# Altium PCB PCB.PcbDoc
Units mm, origin at the board's own origin, x right, y up, seen from the top; angles counter-clockwise.
Board outline 127 x 60 mm, 4 copper layers (Top Layer, Layer 1, Layer 2, Bottom Layer), stack 0.993 mm thick; 55 components, 34 nets, 212 pads, 305 vias.
Unrouted connection lines stored in the file: 11.
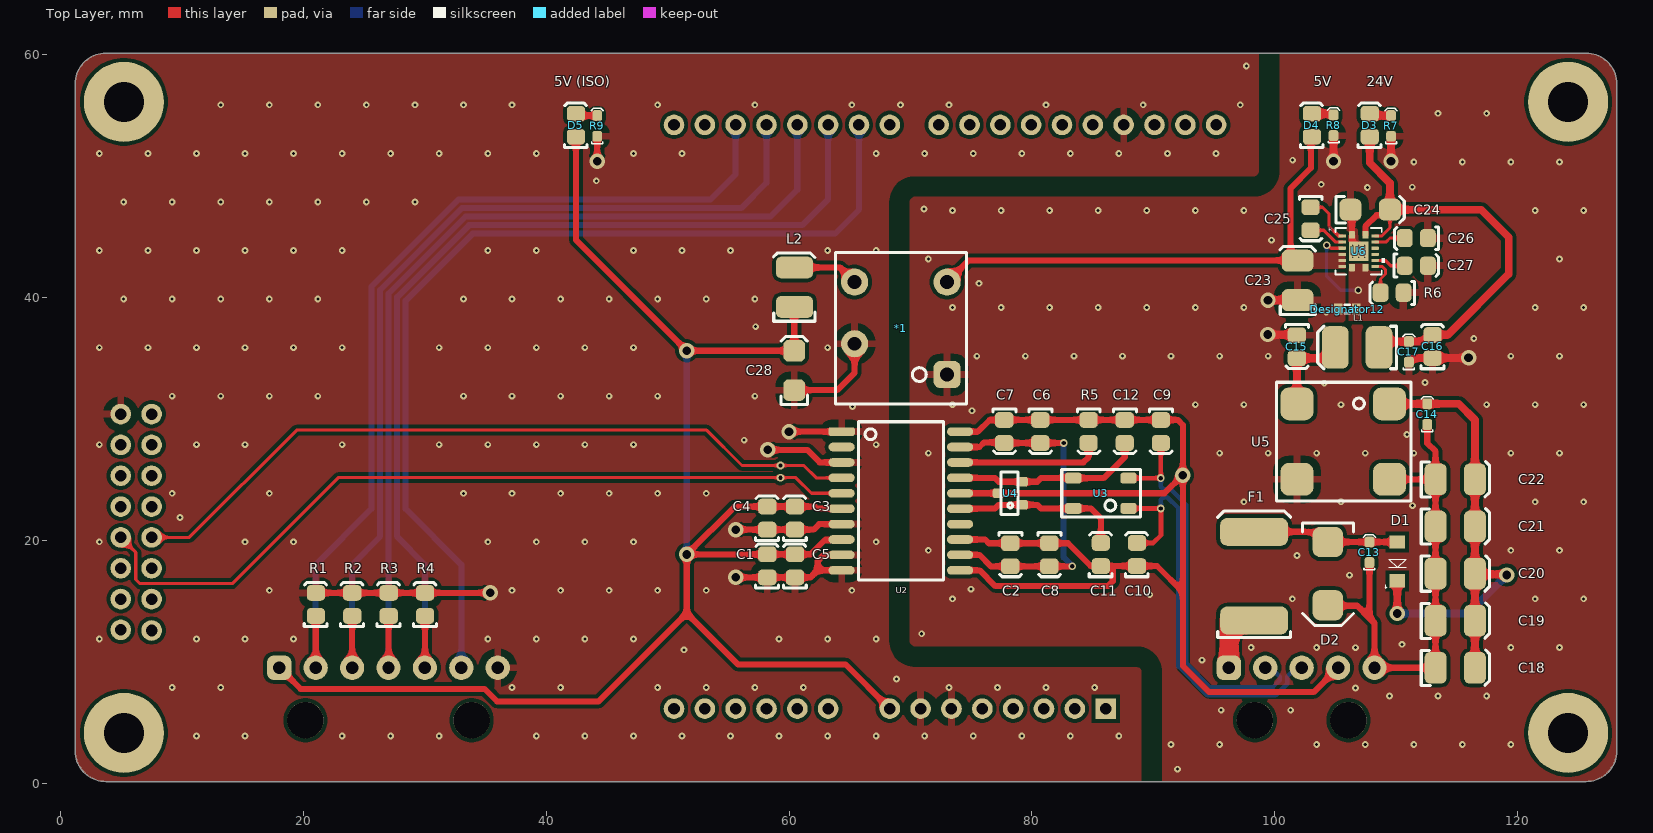
[diagram p0: Top Layer view]
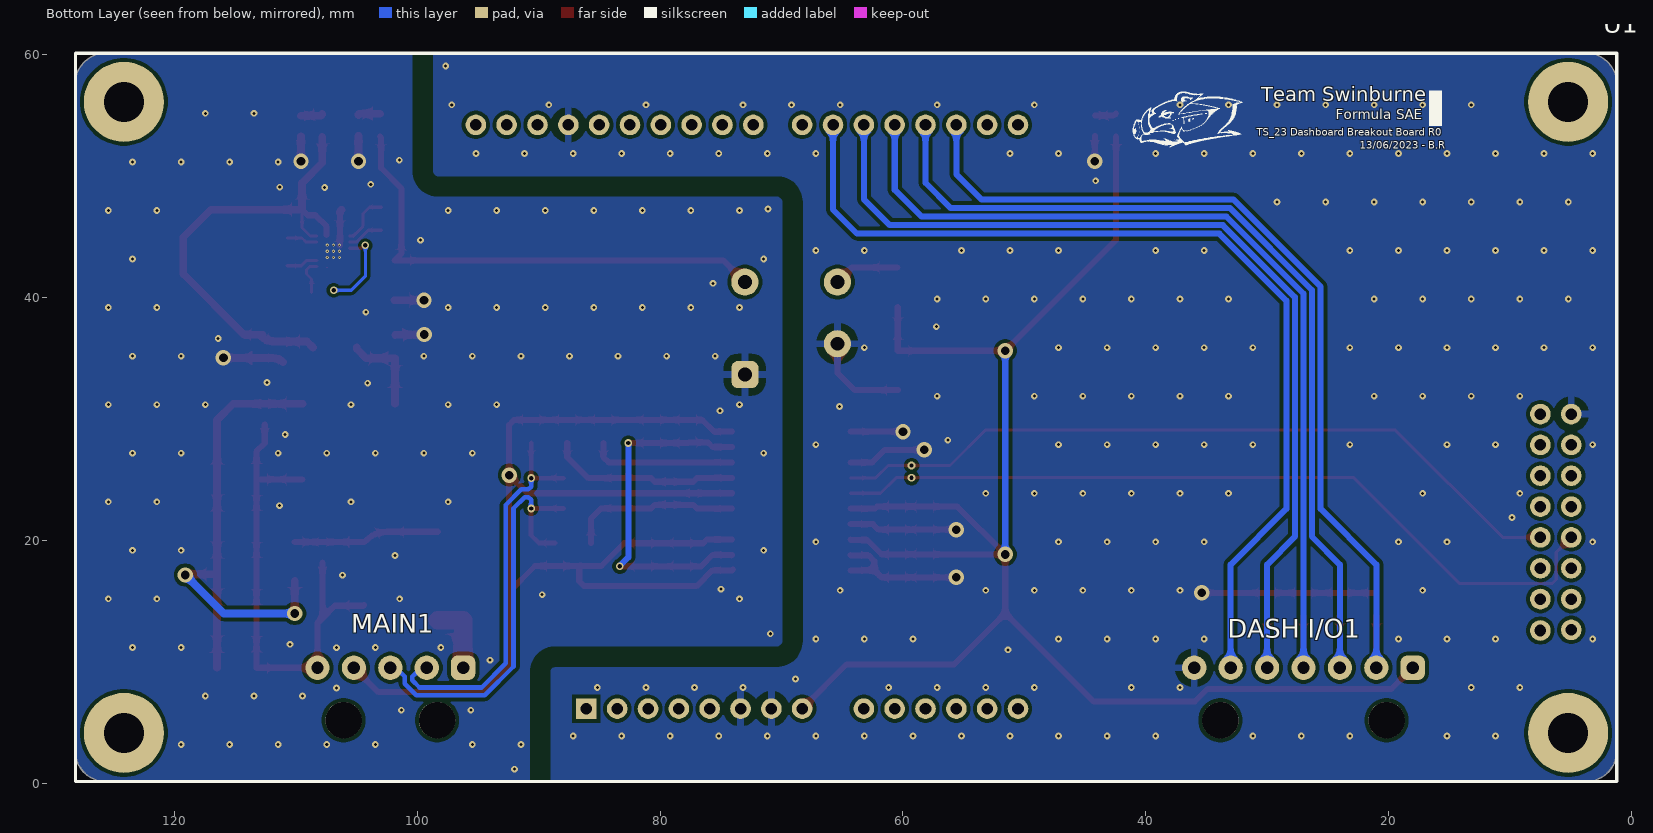
[diagram p1: Bottom Layer view, seen from below]
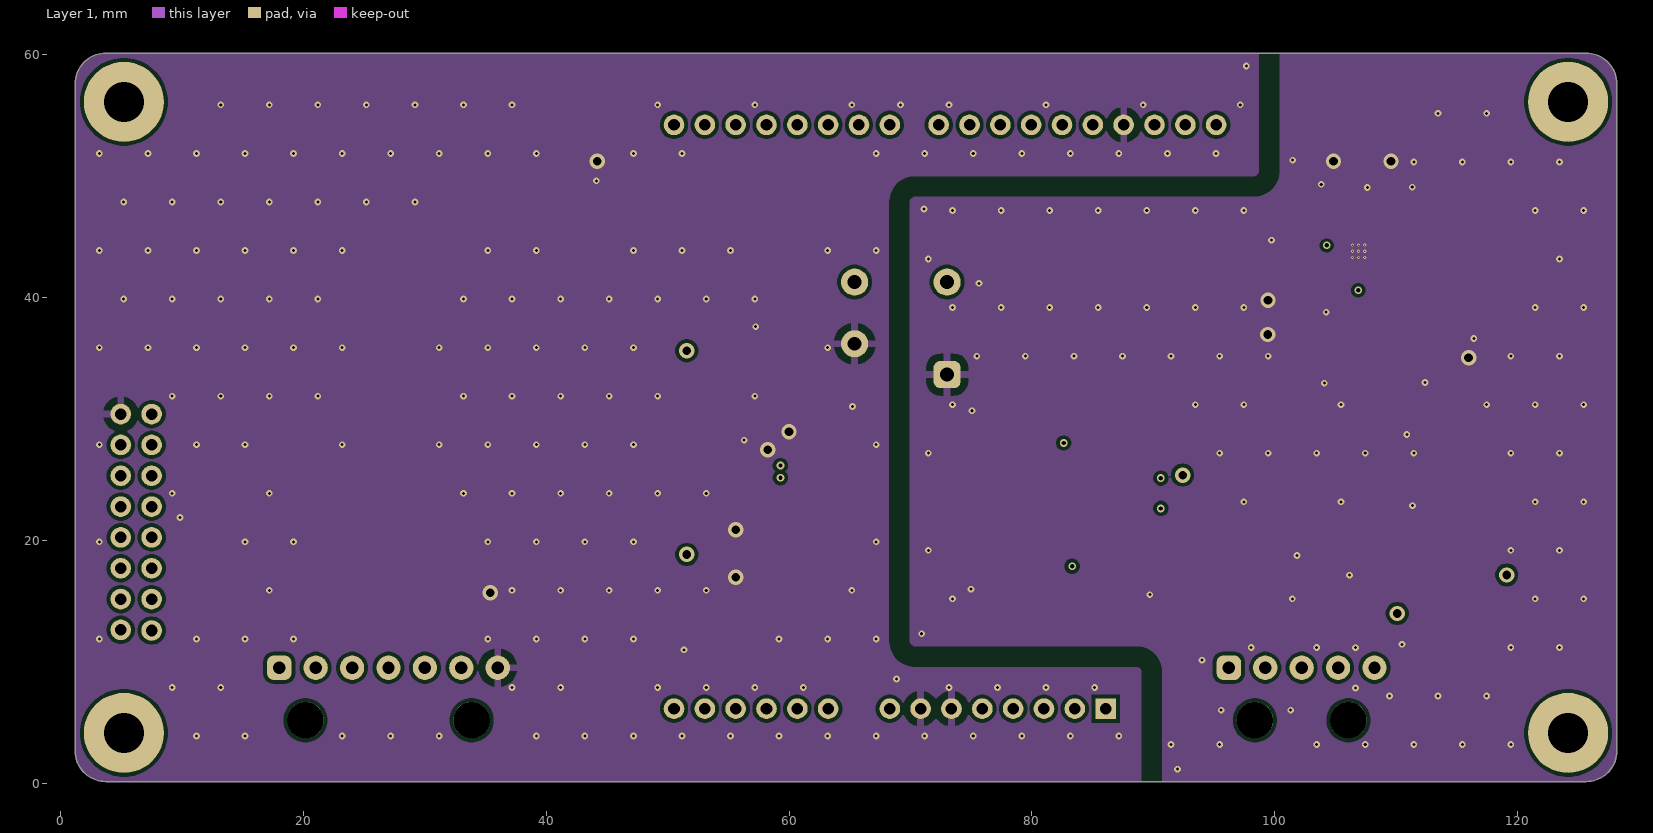
[diagram p2: Layer 1]
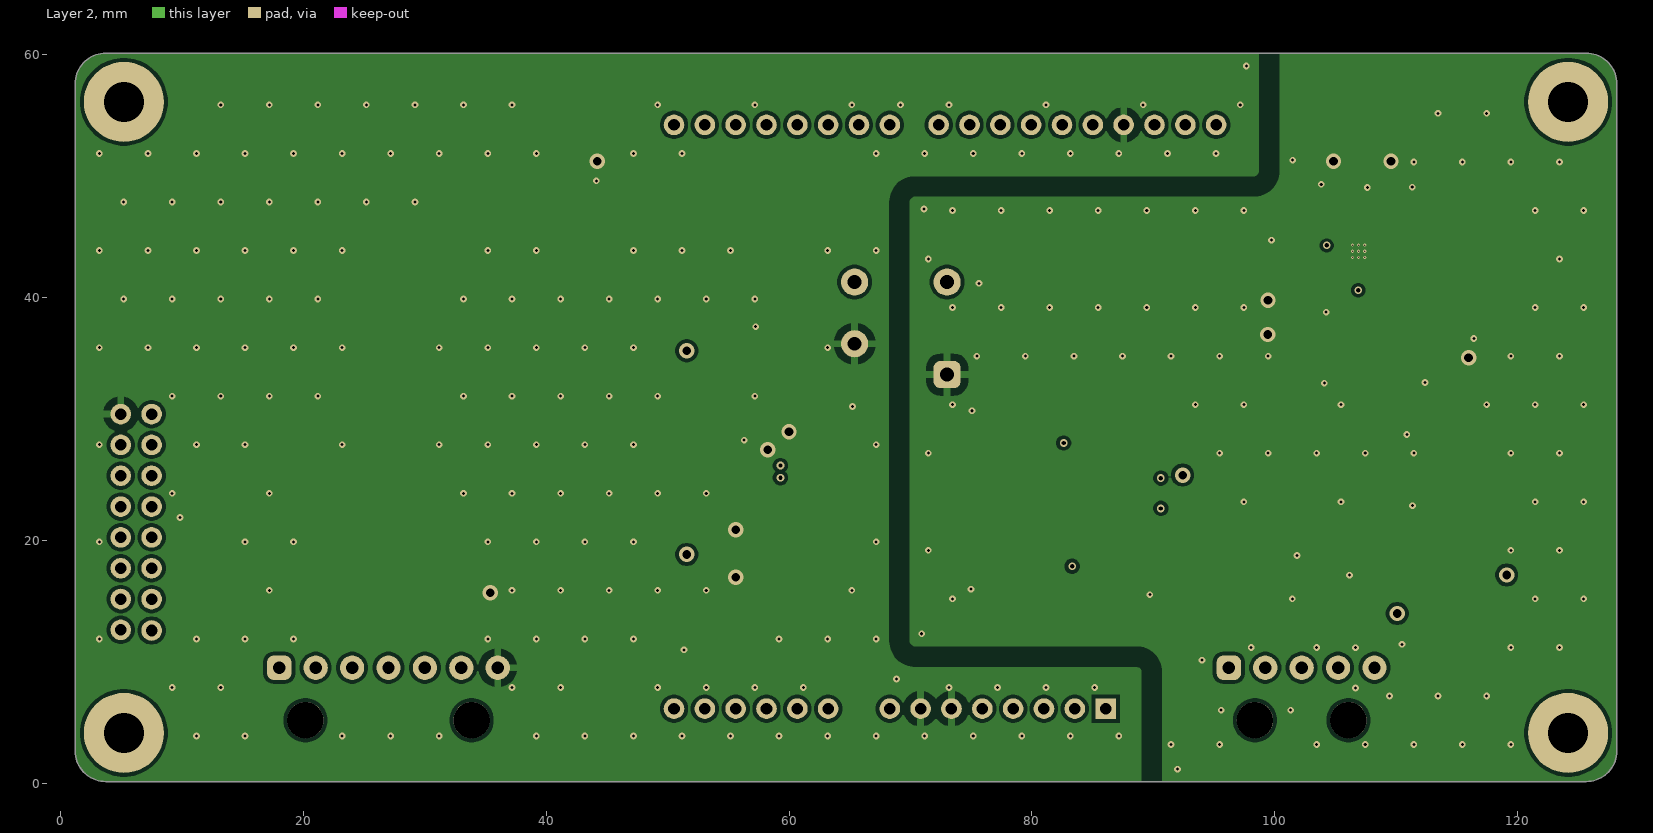
[diagram p3: Layer 2]

## Layer stack, top to bottom
Top Solder: solder mask 0.0254, SM-001, Dk 4
Top Layer: signal copper 0.035
Dielectric 2: prepreg 0.0711, PP-006, Dk 4.1
Layer 1: signal copper 0.035
Dielectric 1: core 0.7112, Core-039, Dk 4.8
Layer 2: signal copper 0.035
Dielectric 3: prepreg 0.0711, PP-006, Dk 4.1
Bottom Layer: signal copper 0.035
Bottom Solder: solder mask 0.0254, SM-001, Dk 4

## Board outline
1.195,2.627 1.195,57.627 cw(c3.695,57.627) 3.695,60.127 125.695,60.127 cw(c125.695,57.627) 128.195,57.627 128.195,2.627 cw(c125.695,2.627) 125.695,0.127 3.695,0.127 cw(c3.695,2.627)

## Design rules (kind name [scope] priority, off if disabled: settings)
Clearance ClearanceSIG0V [InNet('SIG 0V') vs InNet('0V')] p1: gap=0.254 ignorepadtopadclearanceinfootprint=FALSE except(0: Arc-Hole Track-Hole SMDPad-Hole THPad-Hole Via-Hole Fill-Hole Poly-Hole Region-Hole Text-Hole; 0.1: THPad-THPad; 0.152: Arc-SMDPad Track-SMDPad SMDPad-SMDPad; 0.2: Arc-THPad Track-THPad SMDPad-THPad THPad-Via; 0.203: Arc-Arc Arc-Track Arc-Region Track-Track Track-Region SMDPad-Region THPad-Region Via-Region Fill-Region Poly-Region Region-Region; 0.245: SMDPad-Poly Via-Poly; 0.6: Arc-Poly THPad-Poly Fill-Poly)
Clearance ClearanceSIG0V_1 [InNet('SIG 0V')] p2: gap=0.254 ignorepadtopadclearanceinfootprint=FALSE except(0: Arc-Hole Track-Hole SMDPad-Hole THPad-Hole Via-Hole Fill-Hole Poly-Hole Region-Hole Text-Hole; 0.1: THPad-THPad; 0.152: Arc-SMDPad Track-SMDPad SMDPad-SMDPad; 0.2: Arc-THPad Track-THPad SMDPad-THPad THPad-Via; 0.203: Arc-Arc Arc-Track Arc-Region Track-Track Track-Region SMDPad-Region THPad-Region Via-Region Fill-Region Poly-Region Region-Region; 0.245: Via-Poly; 0.6: Arc-Poly THPad-Poly Fill-Poly)
Clearance [All] p3: gap=0.254 ignorepadtopadclearanceinfootprint=TRUE except(0: Arc-Hole Track-Hole SMDPad-Hole THPad-Hole Via-Hole Fill-Hole Poly-Hole Region-Hole Text-Hole; 0.1: THPad-THPad; 0.152: Arc-SMDPad Track-SMDPad SMDPad-SMDPad; 0.2: Arc-THPad Track-THPad SMDPad-THPad THPad-Via; 0.203: Arc-Arc Arc-Track Arc-Region Track-Track Track-Region SMDPad-Region THPad-Region Via-Region Fill-Region Poly-Region Region-Region; 0.3: Arc-Poly Track-Poly SMDPad-Poly THPad-Poly Via-Poly Fill-Poly Poly-Poly)
ComponentClearance ComponentClearance_1 [HasFootprint('MAXM17631AME+T') vs HasFootprint('POINT_0_1')] p1: gap=0 collisioncheckmode=3 verticalgap=0 showdistances=FALSE
ComponentClearance [All] p2: gap=0.254 collisioncheckmode=3 verticalgap=0.254 showdistances=FALSE
DiffPairsRouting [All] p1: maxlimit=0.254 minlimit=0.254 mostfreqgap=0.254 toplayer_minwidth=0.381 toplayer_maxwidth=0.381 toplayer_prefwidth=0.381 midlayer1_minwidth=0.381 midlayer1_maxwidth=0.381 midlayer1_prefwidth=0.381 midlayer2_minwidth=0.381 midlayer2_maxwidth=0.381 midlayer2_prefwidth=0.381 bottomlayer_minwidth=0.381 bottomlayer_maxwidth=0.381 bottomlayer_prefwidth=0.381 maxuncoupledlength=12.7
Height [All] p1: minheight=0 maxheight=50 prefheight=12.7
HoleSize [All] p1: absolutevalues=TRUE maxlimit=10 minlimit=0.025 maxpercent=80.000 minpercent=20.000
PlaneClearance [All] p1: clearance=0.4
PlaneConnect [All] p1: pad.planeconnectstyle=Relief pad.reliefexpansion=0.508 pad.reliefentries=4 pad.reliefconductorwidth=0.8 pad.reliefairgap=0.254 via.planeconnectstyle=Direct via.reliefexpansion=0.508 via.reliefentries=4 via.reliefconductorwidth=0.8 via.reliefairgap=0.254
PolygonConnect PolygonConnectSIG0V [InNet('SIG 0V') vs HasFootprint('MAXM17631AME+T')] p1: thpad.connectstyle=Relief thpad.reliefconductorwidth=0.6 thpad.reliefentries=4 thpad.polygonreliefangle="90 Angle" thpad.airgapwidth=0.254 smdpad.connectstyle=Direct smdpad.reliefconductorwidth=0.6 smdpad.reliefentries=4 smdpad.polygonreliefangle="90 Angle" smdpad.airgapwidth=0.254 via.connectstyle=Direct via.reliefconductorwidth=0.6 via.reliefentries=4 via.polygonreliefangle="90 Angle" via.airgapwidth=0.254
PolygonConnect PolygonConnectSIG0VSTAR [InNet('SIG 0V') vs HasFootprint('POINT_0_1')] p2: thpad.connectstyle=Relief thpad.reliefconductorwidth=0.6 thpad.reliefentries=4 thpad.polygonreliefangle="90 Angle" thpad.airgapwidth=0.254 smdpad.connectstyle=Relief smdpad.reliefconductorwidth=0.6 smdpad.reliefentries=4 smdpad.polygonreliefangle="90 Angle" smdpad.airgapwidth=0.254 via.connectstyle=Direct via.reliefconductorwidth=0.6 via.reliefentries=4 via.polygonreliefangle="90 Angle" via.airgapwidth=0.254
PolygonConnect PolygonConnect0VSTAR [InNet('0V') vs HasFootprint('POINT_0_1')] p3: thpad.connectstyle=Relief thpad.reliefconductorwidth=0.6 thpad.reliefentries=4 thpad.polygonreliefangle="90 Angle" thpad.airgapwidth=0.254 smdpad.connectstyle=Direct smdpad.reliefconductorwidth=0.6 smdpad.reliefentries=4 smdpad.polygonreliefangle="90 Angle" smdpad.airgapwidth=0.254 via.connectstyle=Direct via.reliefconductorwidth=0.6 via.reliefentries=4 via.polygonreliefangle="90 Angle" via.airgapwidth=0.254
PolygonConnect PolygonConnect0VEPADVIAREG [InNet('0V') vs HasFootprint('MAXM17631AME+T')] p4: thpad.connectstyle=Relief thpad.reliefconductorwidth=0.6 thpad.reliefentries=4 thpad.polygonreliefangle="90 Angle" thpad.airgapwidth=0.254 smdpad.connectstyle=Direct smdpad.reliefconductorwidth=0.6 smdpad.reliefentries=4 smdpad.polygonreliefangle="90 Angle" smdpad.airgapwidth=0.254 via.connectstyle=Direct via.reliefconductorwidth=0.6 via.reliefentries=4 via.polygonreliefangle="90 Angle" via.airgapwidth=0.254
PolygonConnect PolygonConnect_1 [All] p5: thpad.connectstyle=Relief thpad.reliefconductorwidth=0.6 thpad.reliefentries=4 thpad.polygonreliefangle="90 Angle" thpad.airgapwidth=0.6 smdpad.connectstyle=Relief smdpad.reliefconductorwidth=0.6 smdpad.reliefentries=4 smdpad.polygonreliefangle="90 Angle" smdpad.airgapwidth=0.6 via.connectstyle=Direct via.reliefconductorwidth=0.6 via.reliefentries=4 via.polygonreliefangle="90 Angle" via.airgapwidth=0.6
RoutingVias [All] p1: holewidth=0.711 width=1.27 viastyle="Through Hole" minholewidth=0.1 minwidth=0.15 maxholewidth=0.711 maxwidth=1.27
ShortCircuit [All vs InPadClass('All Pads')] p1: allowed=FALSE
SolderMaskExpansion [All] p1: expansion=0.051 istentingtop=FALSE
Width Width_1 [InNet('SIG 0V')] p1: maxlimit=3 minlimit=0.1 preferedwidth=0.5 midlayer1_minwidth=0.127 midlayer2_minwidth=0.127 minimp=50.000000 maximp=50.000000 favimp=50.000000
Width [All] p2: maxlimit=3 minlimit=0.127 preferedwidth=0.5
23 further rules are at their usual default settings.

## Classes and differential pairs
component class "U_Power supply - Copy (2)": *1 C13 C14 C15 C16 C17 C18 C19 C20 C21 C22 C23 C24 C25 C26 C27 C28 D1 D2 D3 D4 D5 F1 L1 L2 R6 R7 R8 R9 U5 U6
component class U_CAN: C1 C2 C3 C4 C5 C6 C7 C8 C9 C10 C11 C12 R5 U2 U3 U4
component class Top_Level: "DASH I/O1" MAIN1 R1 R2 R3 R4 U1
differential pair CAN1: +CAN1_P -CAN1_N

## Components (designator, comment, footprint, x,y, rotation, side; value= is the part's Value field where it differs from the comment)
*1 "NKE0505DC" NKE0505DC 73.025,33.655 r90 top
C1 "100nF" 0805 58.182,17.907 r90 top
C2 "100nF" 0805 78.258,18.796 r270 top
C3 "10nF" 0805 60.468,21.844 r90 top
C4 "100nF" 0805 58.182,21.844 r90 top
C5 "10nF" 0805 60.468,17.907 r90 top
C6 "100nF" 0805 80.732,28.956 r270 top
C7 "10nF" 0805 77.756,28.956 r270 top
C8 "10nF" 0805 81.474,18.796 r270 top
C9 "100pF" 0805 90.662,28.956 r270 top
C10 "100pF" 0805 88.641,18.844 r90 top
C11 "100pF" 0805 85.664,18.844 r90 top
C12 "100pF" 0805 87.685,28.956 r270 top
C13 "100nF" 0603 107.823,18.156 r90 top
C14 "100nF" 0603 112.588,29.542 r90 top
C15 "10uF" 0805 101.865,35.941 r270 top
C16 "10uF" 0805 113,35.989 r90 top
C17 "100nF" 0603 111.075,34.675 r90 top
C18 "22uF" 1210 116.078,9.5 r0 top
C19 "22uF" 1210 116.078,13.38 r0 top
C20 "22uF" 1210 116.078,17.261 r0 top
C21 "22uF" 1210 116.078,21.141 r0 top
C22 "22uF" 1210 116.078,25.022 r0 top
C23 "22uF" 1210 101.9,42.6 r90 top
C24 "4.7uF" "1206 CAP" 109.07,47.244 r0 top
C25 "100nF" 0805 102.997,46.482 r270 top
C26 "2.2uF" 0805 111.675,44.875 r180 top
C27 "6.8nF" 0805 111.7,42.65 r0 top
C28 "4.7uF" "1206 CAP" 60.429,35.179 r90 top
D1 "PMEG100T10ELR-QX" "NXP SOD123W" 110.109,18.256 r90 top
D2 "SM6T36CAY" "ST SMB DIODE" 104.394,17.256 r90 top
D3 "Red" "0805 LED" 107.823,54.215 r90 top
D4 "Red" "0805 LED" 103.058,54.215 r90 top
D5 "Red" "0805 LED" 42.418,54.215 r90 top
"DASH I/O1" "436500700" 436500700 18,9.5 r180 bottom
Designator12 "Comment" J1-0603 106,39.05 r0 top
F1 "0ZCF0100AF2A" 2920 98.325,13.401 r90 top
L1 "12uH" 1812 106.811,35.889 r180 top
L2 "47 uH" 82473C 60.452,42.037 r90 top
MAIN1 "436500500" 436500500 96.237,9.5 r180 bottom
R1 "10k" 0805 20.989,14.732 r90 top
R2 "10k" 0805 23.989,14.732 r90 top
R3 "10k" 0805 26.989,14.732 r90 top
R4 "10k" 0805 29.989,14.732 r90 top
R5 "0R" 0805 84.709,28.956 r270 top
R6 "15k" 0805 109.675,40.375 r180 top
R7 "20K" 0603 109.601,53.291 r90 top
R8 "2K" 0603 104.862,53.341 r90 top
R9 "2K" 0603 44.196,53.291 r90 top
U1 "DISCO-F469NI" DISCO-F469NI 64.693,31.127 r90 bottom locked
U2 "" "AD SOIC-W 20" 69.215,23.241 r270 top
U3 "B82787C0104H002" "TDK 4-PC Pad" 87.973,22.626 r180 top value="100µH @ 100kHz"
U4 "NUP2105L" "ON SOT-23" 78.232,23.876 r90 top
U5 "744272121" "Wurth 4-PC Pad" 101.854,25.022 r0 top value="120uH @ 100kHz"
U6 "MAXM17631AME+T" MAXM17631AME+T 106.934,43.815 r0 top

## Footprints (in the part's own frame and the unit in brackets; to place one, negate y for a bottom-side part, rotate by r counter-clockwise, add the part's x,y. Pads: shape width x height; smd on the part's side, far side on the other; paste and mask are expansions set on the pad)
0603 [mm]
  rrect50% 0.9x0.8 smd: 1(0,0) 2(1.7,0)
  silkscreen extent -0.6,-0.5 2.3,0.5, body extent 0.05,-0.42 1.65,0.43, height 0.6
0805 [mm]
  rrect50% 1.3x1.5 smd: 1(-0.962,-0.026) 2(0.938,-0.026)
  silkscreen extent -1.85,-0.95 1.8,0.93, body extent -1,-0.65 1,0.66, height 0.73
"0805 LED" [mm]
  rrect50% 1.3x1.5 smd: A(-0.962,-0.026) K(0.938,-0.026)
  silkscreen extent -1.85,-0.95 1.8,0.93, body extent -1.09,-0.63 0.91,0.62, height 1
"1206 CAP" [mm]
  rrect50% 1.8x1.8 smd: 1(-2.81,0) 2(0.44,0)
  silkscreen extent -3.99,-1.09 1.62,1.09, body extent -2.75,-0.79 0.45,0.81, height 1.61
1210 [mm]
  rrect50% 1.8x2.6 smd: 1(-2.81,0) 2(0.44,0)
  silkscreen extent -3.99,-1.46 1.62,1.46, body extent -2.77,-1.26 0.43,1.24, height 2.51
1812 [mm]
  rrect50% 2.2x3.5 smd: 1(-1.8,0) 2(1.8,0)
  silkscreen extent -3.25,-1.75 3.25,1.75, body extent -2.25,-1.6 2.25,1.6, height 2.5
2920 [mm]
  rrect50% 2.3x5.6 smd: 1(0,0) 2(7.3,0)
  silkscreen extent -1.4,-3 9,3, body extent -0.34,-2.81 7.64,2.81, height 1.14
82473C [mm]
  rrect50% 1.8x3.05 smd: 1(-2.81,0) 2(0.44,0)
  silkscreen extent -3.99,-1.68 1.62,1.73, body extent -2.81,-1.25 0.45,1.26, height 2
436500500 [mm]
  rrect50% 2x2 hole 1.02 paste+0: 1(0,0)
  round 2 hole 1.02 paste+0: 2(-3,0) 3(-6,0) 4(-9,0) 5(-12,0)
  round 3 hole 3 unplated: PEG(-9.85,-4.32) PEG(-2.15,-4.32)
  body extent -15.32,-8.88 3.32,1.02, height 5.06
436500700 [mm]
  rrect50% 2x2 hole 1.02 paste+0: 1(0,0)
  round 2 hole 1.02 paste+0: 2(-3,0) 3(-6,0) 4(-9,0) 5(-12,0) 6(-15,0) 7(-18,0)
  round 3 hole 3 unplated: PEG(-15.85,-4.32) PEG(-2.15,-4.32)
  body extent -21.32,-8.88 3.32,1.02, height 5.06
"AD SOIC-W 20" [mil]
  rrect50% 28x85 smd: 1(-225,-192.02)
  oval 28x85 smd: 2(-175,-192.02) 3(-125,-192.02) 4(-75,-192.02) 5(-25,-192.02) 6(25,-192.02) 7(75,-192.02) 8(125,-192.02) 9(175,-192.02) 10(225,-192.02) 11(225,192.02) 12(175,191.98) 13(125,191.98) 14(75,191.98) 15(25,191.98) 16(-25,191.98) 17(-75,191.98) 18(-125,191.98) 19(-175,191.98) 20(-225,191.98)
  silkscreen extent -257,-138 256,138, body extent -260,-210 260,210, height 105
DISCO-F469NI [mm]
  round 6.6 hole 3.3: 0(-27,-59.5) 0(-27,59.5) 0(25,-59.5) 0(25,59.5)
  rect 1.7x1.7 hole 0.95: 1(-25,21.391)
  round 1.7 hole 0.95: 2(-25,18.851) 3(-25,16.311) 4(-25,13.771) 5(-25,11.231) 6(-25,8.691) 7(-25,6.151) 8(-25,3.611) 9(-25,-1.469) 10(-25,-4.009) 11(-25,-6.549) 12(-25,-9.089) 13(-25,-11.629) 14(-25,-14.169) 15(23.103,30.499) 16(23.103,27.959) 17(23.103,25.419) 18(23.103,22.879) 19(23.103,20.339) 20(23.103,17.799) 21(23.103,15.259) 22(23.103,12.719) 23(23.103,10.179) 24(23.103,7.639) 25(23.103,3.611) 26(23.103,1.071) 27(23.103,-1.469) 28(23.103,-4.009) 29(23.103,-6.549) 30(23.103,-9.089) 31(23.103,-11.629) 32(23.103,-14.169) 33(-0.727,-57.213) 34(-3.267,-57.213) 35(-5.807,-57.213) 36(-8.347,-57.213) 37(-10.887,-57.213) 38(-13.427,-57.213) 39(-15.967,-57.213) 40(-18.558,-57.213) 41(-18.507,-59.753) 42(-15.967,-59.753) 43(-13.427,-59.753) 44(-10.887,-59.753) 45(-8.347,-59.753) 46(-5.807,-59.753) 47(-3.267,-59.753) 48(-0.727,-59.753)
  silkscreen extent -31,-63.5 29,63.5, body extent -31.1,-64.69 29.95,63.89
J1-0603 [mm] "Chip Resistor, Body 1.6x0.8mm, IPC High Density"
  rect 0.7x0.9 smd: 1(-0.75,0) 2(0.75,0)
  silkscreen extent -0.2,-0.35 0.2,0.35, body extent -0.85,-0.48 0.85,0.48, height 0.9
MAXM17631AME+T [mil]
  rrect25% 24x10 smd paste-5 mask+0: 1(-53.15,49.21) 2(-53.15,29.53) 3(-53.15,9.84) 5(-53.15,-29.53) 6(-53.15,-49.21) 9(53.15,-49.21) 10(53.15,-29.53) 11(53.15,-9.84) 12(53.15,9.84) 13(53.15,29.53) 14(53.15,49.21) e(-53.15,-9.84)
  rrect25% 20x24 smd paste+0 mask+0: 7(-21.65,-53.15) 8(21.65,-53.15) 15(21.65,53.15) 16(-21.65,53.15)
  rect 63x63 smd paste+0 mask+0: 17(0,0)
  silkscreen extent -75,-75 85,75, body extent -62,-62 62,62, height 71
NKE0505DC [mm] "DC DC CONVERTER 5V 1W"
  rrect50% 2.24x2.24 hole 1.15: 1(0,0)
  round 2.24 hole 1.15: 4(7.62,0) 5(7.62,7.62) 7(2.54,7.62)
  silkscreen extent -2.44,-1.59 10.06,9.21, body extent -1.94,-1.11 9.56,8.71, height 5.42
"NXP SOD123W" [mm]
  rect 1.1x1.3 smd: A(1.6,0) K(-1.6,0)
  silkscreen extent -2.2,-0.73 0.2,1.04, body extent -1.75,-0.95 1.75,0.95, height 1.1
"ON SOT-23" [mm] "NUP2105L"
  rrect50% 0.8x0.9 smd: 1(-0.95,-1) 2(0.95,-1) 3(0,1)
  silkscreen extent -1.75,-0.65 1.75,0.75, body extent -1.5,-1.27 1.5,1.28, height 1
"ST SMB DIODE" [mm]
  rrect50% 2.5x2.5 smd: A(2.6,0) K(-2.6,0)
  silkscreen extent -4.28,-2.12 4.17,2.08, body extent -2.88,-1.99 2.71,1.95, height 2.5
"TDK 4-PC Pad" [mm]
  rrect50% 1.35x0.9 smd: 1(0,0) 2(0,-2.5) 3(4.55,-2.5) 4(4.55,0)
  silkscreen extent -1,-3.2 5.5,0.7, body extent -0.02,-2.82 4.48,0.38, height 2.8
"Wurth 4-PC Pad" [mm]
  rrect50% 2.7x2.7 smd: 1(7.62,6.22) 2(0,6.22) 3(0,0) 4(7.62,0)
  silkscreen extent -1.7,-1.8 9.4,8, body extent -1.19,-1.24 8.81,7.46, height 6.2
